# Altium PCB WhiteRHINO_0v1.PcbDoc (part 4 of 10) (continued)
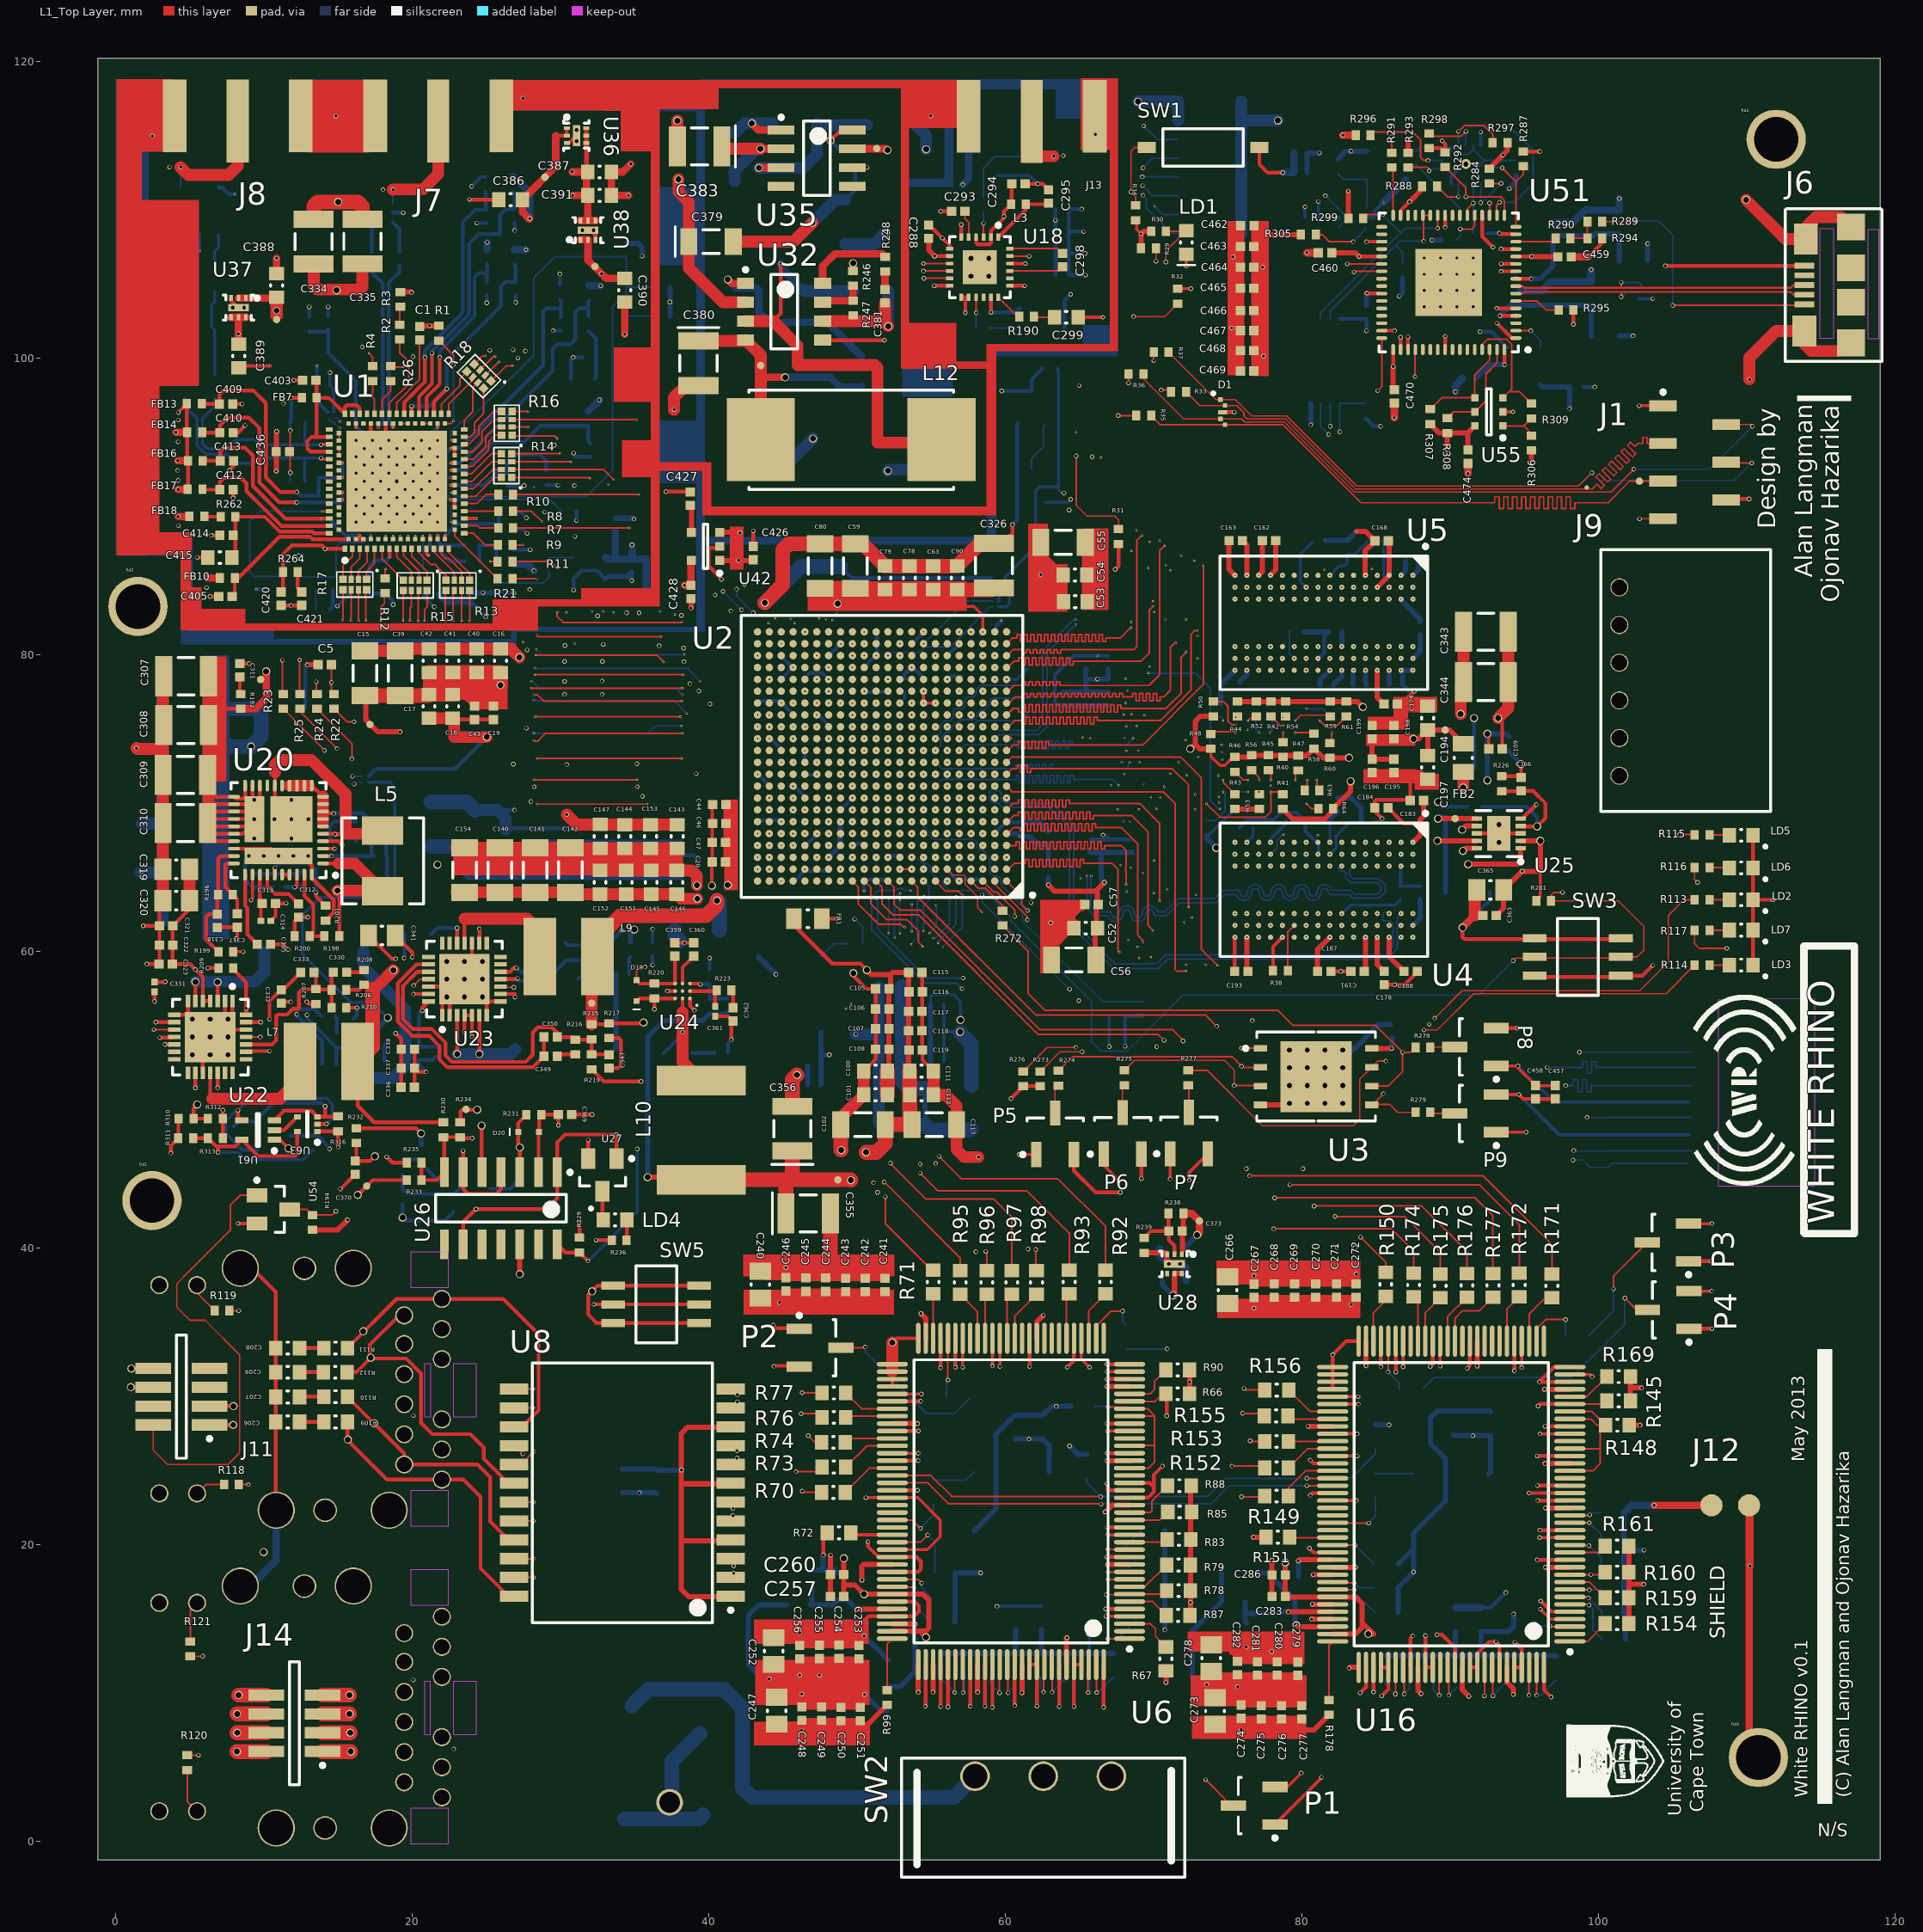
[diagram p0: L1_Top Layer view]
## Nets (pads, with @x,y where several pads share a name; then routed paths per layer and width w, separated by ;. In a path a pad name is that pad's centre, name@x,y a point inside that pad or via, vN(x,y) a via of type N, cw(c..) or ccw(c..) an arc to the next point about the centre after c; other vN are vias at no path point) (continued)
DDR3_DM2: U2.P1 U5.E7 | length 40
  L1_Top Layer w0.115: U2.P1@60.104,75.114 60.239,75.114 60.675,75.55 61.17,75.55 61.17,75.306 61.4,75.306 61.4,75.782 61.63,75.782 61.63,75.306 61.86,75.306 61.86,75.782 62.09,75.782 62.09,75.306 62.32,75.306 62.32,75.782 62.55,75.782 62.55,75.306 62.78,75.306 62.78,75.782 63.01,75.782 63.01,75.306 63.24,75.306 63.24,75.782 63.47,75.782 63.47,75.306 63.7,75.306 63.7,75.782 63.93,75.782 63.93,75.306 64.16,75.306 64.16,75.782 64.39,75.782 64.39,75.306 64.62,75.306 64.62,75.782 64.85,75.782 64.85,75.306 65.08,75.306 65.08,75.782 65.31,75.782 65.31,75.306 65.54,75.306 65.54,75.782 65.77,75.782 65.77,75.306 66,75.306 66,75.782 66.23,75.782 66.23,75.55 70.5,75.55 72.55,77.6 72.55,81.35 72.8,81.6 v1(73,81.6)
  L9_Critical w0.115: v1(73,81.6) 83.004,81.6 84.079,80.525 v1(84.304,80.525)
DDR3_DM3: U2.AA2 U5.D3 | length 40
  L3_Critical w0.115: v1(59.304,80.714) 59.69,81.1 60.68,81.1 60.68,81.344 60.91,81.344 60.91,80.856 61.14,80.856 61.14,81.344 61.37,81.344 61.37,80.856 61.6,80.856 61.6,81.345 61.83,81.345 61.83,80.856 62.06,80.856 62.06,81.345 62.29,81.345 62.29,80.856 62.52,80.856 62.52,81.345 62.75,81.345 62.75,80.856 62.98,80.856 62.98,81.345 63.21,81.345 63.21,80.856 63.44,80.856 63.44,81.345 63.67,81.345 63.67,80.856 63.9,80.856 63.9,81.1 67.775,81.1 68.05,81.375 68.05,86.45 68.525,86.925 v1(68.525,86.975)
  L9_Critical w0.115: v1(68.525,86.975) 71.705,86.975 71.712,86.983 71.988,86.983 71.995,86.975 81.97,86.975 83.9,85.045 83.9,84.35 84.1,84.15 84.679,84.15 v1(85.104,83.725)
DDR3_DQ00: U2.D1 U4.E3 | length 40
  L1_Top Layer w0.115: U2.D1@60.104,67.114 60.74,67.114 60.74,67.358 60.97,67.358 60.97,66.87 61.2,66.87 61.2,67.358 61.43,67.358 61.43,66.87 61.66,66.87 61.66,67.358 61.89,67.358 61.89,66.87 62.12,66.87 62.12,67.358 62.35,67.358 62.35,66.87 62.58,66.87 62.58,67.358 62.81,67.358 62.81,66.87 63.04,66.87 63.04,67.358 63.27,67.358 63.27,66.87 63.5,66.87 63.5,67.358 63.73,67.358 63.73,66.87 63.96,66.87 63.96,67.358 64.19,67.358 64.19,66.87 64.42,66.87 64.42,67.358 64.65,67.358 64.65,66.87 64.88,66.87 64.88,67.358 65.11,67.358 65.11,66.87 65.34,66.87 65.34,67.358 65.57,67.358 65.57,66.87 65.8,66.87 65.8,67.358 66.03,67.358 66.03,66.87 66.26,66.87 66.26,67.358 66.49,67.358 66.49,66.87 66.72,66.87 66.72,67.114 67.836,67.114 68.175,66.775 68.175,65.77 68.143,65.738 68.143,65.462 68.175,65.43 68.175,64.475 v1(68.165,64.475)
  L9_Critical w0.115: v1(68.165,64.475) 68.145,64.455 68.165,64.455 73.116,64.455 73.151,64.42 82.39,64.42 83.135,65.165 83.744,65.165 v1(84.304,65.725)
DDR3_DQ01: U2.C3 U4.F7 | length 40
  L4_Critical w0.115: v1(58.504,66.314) 58.918,65.9 60.59,65.9 60.59,66.144 60.82,66.144 60.82,65.657 61.05,65.657 61.05,66.144 61.28,66.144 61.28,65.657 61.51,65.657 61.51,66.144 61.74,66.144 61.74,65.657 61.97,65.657 61.97,66.144 62.2,66.144 62.2,65.657 62.43,65.657 62.43,66.144 62.66,66.144 62.66,65.657 62.89,65.657 62.89,66.144 63.12,66.144 63.12,65.657 63.35,65.657 63.35,66.144 63.58,66.144 63.58,65.657 63.81,65.657 63.81,66.144 64.04,66.144 64.04,65.657 64.27,65.657 64.27,65.9 67.225,65.9 67.625,65.5 67.625,60.47 68.15,59.945 81.42,59.945 82.275,60.8 82.275,61.15 82.45,61.325 82.9,61.325 83.125,61.55 83.125,62.146 v1(83.504,62.525)
DDR3_DQ02: U2.B2 U4.F2 | length 40
  L3_Critical w0.115: v1(59.304,65.514) 59.665,65.875 60.44,65.875 60.44,66.122 60.67,66.122 60.67,65.628 60.9,65.628 60.9,66.122 61.13,66.122 61.13,65.628 61.36,65.628 61.36,66.122 61.59,66.122 61.59,65.628 61.82,65.628 61.82,66.122 62.05,66.122 62.05,65.628 62.28,65.628 62.28,66.122 62.51,66.122 62.51,65.628 62.74,65.628 62.74,66.122 62.97,66.122 62.97,65.628 63.2,65.628 63.2,66.122 63.43,66.122 63.43,65.628 63.66,65.628 63.66,66.122 63.89,66.122 63.89,65.628 64.12,65.628 64.12,66.122 64.35,66.122 64.35,65.628 64.58,65.628 64.58,66.122 64.81,66.122 64.81,65.628 65.04,65.628 65.04,66.122 65.27,66.122 65.27,65.628 65.5,65.628 65.5,66.122 65.73,66.122 65.73,65.628 65.96,65.628 65.96,66.122 66.19,66.122 66.19,65.628 66.42,65.628 66.42,66.122 66.65,66.122 66.65,65.628 66.88,65.628 66.88,65.875 67.725,65.875 67.81,65.79 v1(67.81,65.785)
  L9_Critical w0.115: v1(67.81,65.785) 67.81,65.29 68.293,64.808 73.209,64.808 73.281,64.735 82.26,64.735 83.1,65.575 83.1,66.125 83.5,66.525 v1(83.504,66.525)
DDR3_DQ03: U2.D3 U4.F8 | length 40
  L4_Critical w0.115: v1(58.504,67.114) 58.915,67.525 60.425,67.525 60.825,67.125 61.17,67.125 61.17,66.884 61.4,66.884 61.4,67.366 61.63,67.366 61.63,66.884 61.86,66.884 61.86,67.366 62.09,67.366 62.09,66.884 62.32,66.884 62.32,67.366 62.55,67.366 62.55,66.884 62.78,66.884 62.78,67.366 63.01,67.366 63.01,66.884 63.24,66.884 63.24,67.366 63.47,67.366 63.47,66.884 63.7,66.884 63.7,67.366 63.93,67.366 63.93,66.884 64.16,66.884 64.16,67.366 64.39,67.366 64.39,66.884 64.62,66.884 64.62,67.125 68.55,67.125 68.925,66.75 v1@68.925,60.325 ; v1@68.925,60.275 v1(68.928,60.278)
  L9_Critical w0.115: v1(68.928,60.278) 77.448,60.278 77.72,60.55 82.1,60.55 82.3,60.75 82.3,61.2 82.493,61.393 83.172,61.393 v1(83.504,61.725)
DDR3_DQ04: U2.E3 U4.H3 | length 38.9
  L3_Critical w0.115: v1(58.504,67.914) 58.915,68.325 60.465,68.325 60.465,68.573 60.695,68.573 60.695,68.077 60.925,68.077 60.925,68.573 61.155,68.573 61.155,68.077 61.385,68.077 61.385,68.573 61.615,68.573 61.615,68.077 61.845,68.077 61.845,68.573 62.075,68.573 62.075,68.077 62.305,68.077 62.305,68.573 62.535,68.573 62.535,68.077 62.765,68.077 62.765,68.573 62.995,68.573 62.995,68.077 63.225,68.077 63.225,68.573 63.455,68.573 63.455,68.077 63.685,68.077 63.685,68.573 63.915,68.573 63.915,68.077 64.145,68.077 64.145,68.573 64.375,68.573 64.375,68.077 64.605,68.077 64.605,68.573 64.835,68.573 64.835,68.077 65.065,68.077 65.065,68.573 65.295,68.573 65.295,68.077 65.525,68.077 65.525,68.573 65.755,68.573 65.755,68.077 65.985,68.077 65.985,68.573 66.215,68.573 66.215,68.077 66.276,68.077 66.524,68.325 67.8,68.325 68.175,67.95 68.175,65.925 68.475,65.625 v1(68.475,65.6)
  L9_Critical w0.115: v1(68.475,65.6) 74,65.6 74.212,65.389 81.568,65.389 v1(81.904,65.725)
DDR3_DQ05: U2.E1 U4.H8 | length 40
  L1_Top Layer w0.115: U2.E1@60.104,67.914 60.164,67.914 60.575,68.325 61.045,68.325 61.045,68.082 61.275,68.082 61.275,68.569 61.505,68.569 61.505,68.082 61.735,68.082 61.735,68.569 61.965,68.569 61.965,68.082 62.195,68.082 62.195,68.569 62.425,68.569 62.425,68.082 62.655,68.082 62.655,68.569 62.885,68.569 62.885,68.082 63.115,68.082 63.115,68.569 63.345,68.569 63.345,68.082 63.575,68.082 63.575,68.569 63.805,68.569 63.805,68.082 64.035,68.082 64.035,68.569 64.265,68.569 64.265,68.082 64.495,68.082 64.495,68.569 64.725,68.569 64.725,68.082 64.955,68.082 64.955,68.569 65.185,68.569 65.185,68.082 65.415,68.082 65.415,68.569 65.645,68.569 65.645,68.082 65.875,68.082 65.875,68.569 66.105,68.569 66.105,68.325 67.825,68.325 68.95,67.2 68.95,61.06 69.318,60.693 v1(69.318,60.61)
  L9_Critical w0.115: v1(69.318,60.61) 69.335,60.593 77.318,60.593 77.7,60.975 78.17,60.975 78.57,61.375 81.554,61.375 v1(81.904,61.725)
DDR3_DQ06: U2.F2 U4.G2 | length 40
  L3_Critical w0.115: v1(59.304,68.714) 59.715,69.125 60.44,69.125 60.44,69.371 60.67,69.371 60.67,68.892 60.9,68.892 60.9,69.371 61.13,69.371 61.13,68.892 61.36,68.892 61.36,69.371 61.59,69.371 61.59,68.892 61.82,68.892 61.82,69.371 62.05,69.371 62.05,68.892 62.28,68.892 62.28,69.371 62.51,69.371 62.51,68.892 62.74,68.892 62.74,69.371 62.97,69.371 62.97,68.892 63.2,68.892 63.2,69.371 63.43,69.371 63.43,68.892 63.66,68.892 63.66,69.371 63.89,69.371 63.89,68.892 64.12,68.892 64.12,69.371 64.35,69.371 64.35,68.892 64.58,68.892 64.58,69.371 64.81,69.371 64.81,68.892 65.04,68.892 65.04,69.371 65.27,69.371 65.27,68.892 65.5,68.892 65.5,69.371 65.73,69.371 65.73,68.892 65.96,68.892 65.96,69.371 66.19,69.371 66.19,69.125 68.545,69.125 68.925,68.745 68.925,65.66 v1(69.318,65.268)
  L9_Critical w0.115: v1(69.318,65.268) 69.335,65.285 73.815,65.285 74,65.1 74,65.05 81.725,65.05 82.275,65.6 82.275,66.096 v1(82.704,66.525)
DDR3_DQ07: U2.F1 U4.H7 | length 40
  L1_Top Layer w0.115: U2.F1@60.104,68.714 60.164,68.714 60.575,69.125 60.89,69.125 60.89,69.366 61.12,69.366 61.12,68.892 61.35,68.892 61.35,69.366 61.58,69.366 61.58,68.892 61.81,68.892 61.81,69.366 62.04,69.366 62.04,68.892 62.27,68.892 62.27,69.366 62.5,69.366 62.5,68.892 62.73,68.892 62.73,69.366 62.96,69.366 62.96,68.892 63.19,68.892 63.19,69.366 63.42,69.366 63.42,68.892 63.65,68.892 63.65,69.366 63.88,69.366 63.88,68.892 64.11,68.892 64.11,69.366 64.34,69.366 64.34,68.892 64.57,68.892 64.57,69.366 64.8,69.366 64.8,68.892 65.03,68.892 65.03,69.366 65.26,69.366 65.26,68.892 65.49,68.892 65.49,69.366 65.72,69.366 65.72,68.892 65.95,68.892 65.95,69.125 68.545,69.125 69.65,68.02 69.65,61.721 v1(69.986,61.386) ; v1(81.904,62.504) U4.H7@81.904,62.525
  L9_Critical w0.115: v1(69.986,61.386) 78.136,61.386 78.325,61.575 78.325,61.95 78.525,62.15 81.55,62.15 v1(81.904,62.504)
DDR3_DQ08: U2.G2 U4.D7 | length 40
  L3_Critical w0.115: v1(59.304,69.514) 59.715,69.925 60.83,69.925 60.83,70.169 61.06,70.169 61.06,69.686 61.29,69.686 61.29,70.169 61.52,70.169 61.52,69.686 61.75,69.686 61.75,69.925 69.12,69.925 69.553,69.492 69.553,69.307 69.65,69.21 69.65,59.75 v1(69.825,59.575)
  L9_Critical w0.115: v1(69.825,59.575) 69.925,59.475 73.13,59.475 73.212,59.558 73.488,59.558 73.505,59.54 77.601,59.54 77.981,59.92 82.365,59.92 82.708,60.262 83.833,60.262 84.035,60.465 84.39,60.465 84.7,60.775 84.7,62.175 85.05,62.525 v1(85.104,62.525)
DDR3_DQ09: U2.G1 U4.C3 | length 40
  L1_Top Layer w0.115: U2.G1@60.104,69.514 60.54,69.95 60.89,69.95 60.89,70.189 61.12,70.189 61.12,69.711 61.35,69.711 61.35,70.189 61.58,70.189 61.58,69.711 61.81,69.711 61.81,70.189 62.04,70.189 62.04,69.711 62.27,69.711 62.27,70.189 62.5,70.189 62.5,69.711 62.73,69.711 62.73,70.189 62.96,70.189 62.96,69.711 63.19,69.711 63.19,70.189 63.42,70.189 63.42,69.711 63.65,69.711 63.65,70.189 63.88,70.189 63.88,69.711 64.11,69.711 64.11,70.189 64.34,70.189 64.34,69.95 69.075,69.95 69.143,69.883 69.163,69.883 69.358,69.688 69.358,69.668 70.425,68.6 v1(70.425,63.375)
  L9_Critical w0.115: v1(70.425,63.375) 72.92,63.375 73.02,63.475 82.782,63.475 83.524,64.217 84.157,64.217 85.008,65.067 85.362,65.067 85.904,65.609 v1(85.904,65.725)
DDR3_DQ10: U2.L1 U4.C8 | length 40
  L1_Top Layer w0.115: U2.L1@60.104,72.714 60.472,73.083 71.843,73.083 73.25,71.675 73.25,60.1 v1(74.325,59.025)
  L9_Critical w0.115: v1(74.325,59.025) 77.532,59.025 78.112,59.605 84.305,59.605 85.5,60.8 85.5,61.321 v1(85.904,61.725)
DDR3_DQ11: U2.L2 U4.C2 | length 40
  L3_Critical w0.115: v1(59.304,72.714) 59.339,72.714 59.725,73.1 61.12,73.1 61.12,72.854 61.35,72.854 61.35,73.1 61.58,73.1 61.58,72.854 61.81,72.854 61.81,73.1 62.04,73.1 62.04,72.854 62.27,72.854 62.27,73.1 62.5,73.1 62.5,72.854 62.73,72.854 62.73,73.1 62.96,73.1 62.96,72.854 63.19,72.854 63.19,73.346 63.42,73.346 63.42,73.1 71.82,73.1 72.583,72.338 72.583,71.702 72.425,71.545 72.425,64.2 72.455,64.2 v1(72.865,63.79)
  L9_Critical w0.115: v1(72.865,63.79) 82.651,63.79 83.393,64.532 84.026,64.532 84.887,65.393 85.242,65.393 85.437,65.587 85.437,66.112 85.85,66.525 v1(85.904,66.525)
DDR3_DQ12: U2.L3 U4.A7 | length 40
  L3_Critical w0.115: v1(73.025,73.1) 73.198,72.928 73.198,62.878 74.3,61.775 v1(74.525,61.775)
  L4_Critical w0.115: v1(58.504,72.714) 58.89,73.1 v1(73.025,73.1)
  L10_Critical w0.115: v1(74.525,61.775) 74.825,62.075 86.45,62.075 86.55,62.175 87.154,62.175 v1(87.504,62.525)
DDR3_DQ13: U2.K1 U4.A2 | length 39.9
  L1_Top Layer w0.115: U2.K1@60.104,71.914 60.475,72.285 60.82,72.285 60.82,72.535 61.05,72.535 61.05,72.035 61.28,72.035 61.28,72.535 61.51,72.535 61.51,72.035 61.74,72.035 61.74,72.285 71.285,72.285 72.375,71.195 v1(72.375,62.95)
  L9_Critical w0.115: v1(72.375,62.95) 73.74,62.95 73.95,63.16 82.912,63.16 83.654,63.902 84.287,63.902 85.138,64.752 85.493,64.752 86.3,65.56 86.3,65.925 86.546,66.171 87.15,66.171 v1(87.504,66.525)
DDR3_DQ14: U2.J1 U4.B8 | length 40
  L1_Top Layer w0.115: U2.J1@60.104,71.114 60.493,70.725 70.675,70.725 71.475,69.925 71.475,58.75 71.575,58.65 v1(72.2,58.65)
  L9_Critical w0.115: v1(72.2,58.65) 77.85,58.65 78.49,59.29 84.94,59.29 86.275,60.625 86.275,61.296 v1(86.704,61.725)
DDR3_DQ15: U2.K3 U4.A3 | length 40
  L3_Critical w0.115: v1(58.504,71.914) 58.89,72.3 71.275,72.3 72.025,71.55 72.025,62.825 v1(72.6,62.25)
  L9_Critical w0.115: v1(72.6,62.25) 72.665,62.186 77.836,62.186 77.839,62.189 78.054,62.189 78.39,62.525 78.39,62.715 78.52,62.845 83.043,62.845 83.498,63.3 85.079,63.3 v1(87.504,65.725)
DDR3_DQ16: U2.M1 U5.E3 | length 40
  L1_Top Layer w0.115: U2.M1@60.104,73.514 60.189,73.514 60.55,73.875 60.89,73.875 60.89,74.106 61.12,74.106 61.12,73.644 61.35,73.644 61.35,74.106 61.58,74.106 61.58,73.644 61.81,73.644 61.81,74.106 62.04,74.106 62.04,73.644 62.27,73.644 62.27,74.106 62.5,74.106 62.5,73.644 62.73,73.644 62.73,74.106 62.96,74.106 62.96,73.875 69.275,73.875 73.375,77.975 v1(73.375,85.99)
  L3_Critical w0.115: v1(81.5,85.7) 81.5,84.275 81.675,84.1 83.929,84.1 v1(84.304,83.725)
  L9_Critical w0.115: v1(73.375,85.99) 73.393,85.973 81.228,85.973 v1(81.5,85.7)
DDR3_DQ17: U2.T3 U5.F7 | length 40
  L4_Critical w0.115: v1(58.504,76.714) 58.94,77.15 60.615,77.15 60.615,77.398 60.845,77.398 60.845,76.902 61.075,76.902 61.075,77.398 61.305,77.398 61.305,76.902 61.535,76.902 61.535,77.398 61.765,77.398 61.765,76.902 61.995,76.902 61.995,77.398 62.225,77.398 62.225,76.902 62.455,76.902 62.455,77.398 62.685,77.398 62.685,76.902 62.915,76.902 62.915,77.398 63.145,77.398 63.145,76.902 63.375,76.902 63.375,77.398 63.605,77.398 63.605,76.902 63.835,76.902 63.835,77.398 64.065,77.398 64.065,76.902 64.295,76.902 64.295,77.398 64.525,77.398 64.525,76.902 64.755,76.902 64.755,77.398 64.985,77.398 64.985,76.902 65.215,76.902 65.215,77.398 65.445,77.398 65.445,76.902 65.675,76.902 65.675,77.15 72.125,77.15 72.55,77.575 72.55,80.9 72.875,81.225 v1(72.975,81.225)
  L9_Critical w0.115: v1(72.975,81.225) 82.725,81.225 83.05,80.9 83.425,80.525 v1(83.504,80.525)
DDR3_DQ18: U2.N3 U5.F2 | length 40
  L3_Critical w0.115: v1(58.504,74.314) 58.915,74.725 60.73,74.725 60.73,74.975 60.96,74.975 60.96,74.475 61.19,74.475 61.19,74.975 61.42,74.975 61.42,74.475 61.65,74.475 61.65,74.975 61.88,74.975 61.88,74.475 62.11,74.475 62.11,74.725 69.68,74.725 71.85,76.896 v1(71.85,86.65)
  L9_Critical w0.115: v1(71.85,86.65) 81.545,86.65 81.57,86.625 81.874,86.625 83.037,85.463 83.037,84.993 v1(83.504,84.525)
DDR3_DQ19: U2.T1 U5.F8 | length 40
  L1_Top Layer w0.115: U2.T1@60.104,76.714 60.264,76.714 60.675,77.125 61.25,77.125 61.25,77.375 61.48,77.375 61.48,77.125 61.71,77.125 61.71,77.375 61.94,77.375 61.94,77.125 62.17,77.125 62.17,77.375 62.4,77.375 62.4,77.125 62.63,77.125 62.63,77.375 62.86,77.375 62.86,77.125 63.09,77.125 63.09,77.375 63.32,77.375 63.32,77.125 63.55,77.125 63.55,77.375 63.78,77.375 63.78,77.125 64.01,77.125 64.01,77.375 64.24,77.375 64.24,77.125 64.47,77.125 64.47,77.375 64.7,77.375 64.7,77.125 64.93,77.125 64.93,77.375 65.16,77.375 65.16,77.125 65.39,77.125 65.39,77.375 65.62,77.375 65.62,77.125 65.85,77.125 65.85,77.375 66.08,77.375 66.08,77.125 66.31,77.125 66.31,77.375 66.54,77.375 66.54,77.125 66.77,77.125 66.77,77.375 67,77.375 67,77.125 67.23,77.125 67.23,77.375 67.46,77.375 67.46,77.125 67.69,77.125 67.69,77.375 67.92,77.375 67.92,77.125 68.61,77.125 68.61,77.375 68.84,77.375 68.84,76.875 69.07,76.875 69.07,77.375 69.3,77.375 69.3,76.875 69.53,76.875 69.53,77.375 69.76,77.375 69.76,76.875 69.99,76.875 69.99,77.375 70.22,77.375 70.22,76.875 70.45,76.875 70.45,77.125 70.7,77.125 71.15,77.575 71.15,80.473 71.477,80.8 71.501,80.824 v1(71.501,80.775)
  L9_Critical w0.115: v1(71.501,80.775) 71.601,80.875 71.946,80.875 71.946,80.625 72.176,80.625 72.176,81.125 72.406,81.125 72.406,80.875 82.024,80.875 82.3,80.599 82.3,80.375 82.56,80.115 83.115,80.115 v1(83.504,79.725)
DDR3_DQ20: U2.R3 U5.H3 | length 40
  L3_Critical w0.115: v1(58.504,75.914) 58.514,75.914 58.925,76.325 60.315,76.325 60.315,76.569 60.545,76.569 60.545,76.076 60.775,76.076 60.775,76.569 61.005,76.569 61.005,76.076 61.235,76.076 61.235,76.569 61.465,76.569 61.465,76.076 61.695,76.076 61.695,76.569 61.925,76.569 61.925,76.076 62.155,76.076 62.155,76.569 62.385,76.569 62.385,76.076 62.615,76.076 62.615,76.569 62.845,76.569 62.845,76.076 63.075,76.076 63.075,76.569 63.305,76.569 63.305,76.325 69.9,76.325 71.15,77.575 v1(71.15,85.675)
  L9_Critical w0.115: v1(71.15,85.675) 71.168,85.658 80.442,85.658 80.725,85.374 80.725,84.35 80.95,84.125 81.504,84.125 v1(81.904,83.725)
DDR3_DQ21: U2.T2 U5.H8 | length 39.4
  L3_Critical w0.115: v1(59.304,76.714) 59.725,77.135 60.14,77.135 60.14,77.385 60.37,77.385 60.37,76.885 60.6,76.885 60.6,77.385 60.83,77.385 60.83,76.885 61.06,76.885 61.06,77.385 61.29,77.385 61.29,76.885 61.52,76.885 61.52,77.385 61.75,77.385 61.75,76.885 61.98,76.885 61.98,77.385 62.21,77.385 62.21,76.885 62.44,76.885 62.44,77.385 62.67,77.385 62.67,76.885 62.9,76.885 62.9,77.385 63.13,77.385 63.13,76.885 63.36,76.885 63.36,77.385 63.59,77.385 63.59,76.885 63.82,76.885 63.82,77.385 64.05,77.385 64.05,76.885 64.28,76.885 64.28,77.385 64.51,77.385 64.51,76.885 64.74,76.885 64.74,77.385 64.97,77.385 64.97,76.885 65.2,76.885 65.2,77.385 65.43,77.385 65.43,76.88 65.435,76.875 65.7,76.875 65.7,77.375 65.725,77.4 65.975,77.4 65.975,76.875 66.25,76.875 66.25,77.385 66.515,77.385 66.515,76.885 66.745,76.885 66.745,77.385 66.975,77.385 66.975,76.885 67.205,76.885 67.205,77.385 67.435,77.385 67.435,77.135 67.81,77.135 v1(68.225,77.55)
  L9_Critical w0.115: v1(68.225,77.55) 68.738,78.063 72.688,78.063 74,79.375 81.554,79.375 v1(81.904,79.725)
DDR3_DQ22: U2.M2 U5.G2 | length 40
  L3_Critical w0.115: v1(59.304,73.514) 59.314,73.514 59.675,73.875 60.64,73.875 60.64,74.124 60.87,74.124 60.87,73.626 61.1,73.626 61.1,74.124 61.33,74.124 61.33,73.626 61.56,73.626 61.56,74.124 61.79,74.124 61.79,73.626 62.02,73.626 62.02,74.124 62.25,74.124 62.25,73.626 62.48,73.626 62.48,74.124 62.71,74.124 62.71,73.626 62.94,73.626 62.94,73.875 69.275,73.875 72.55,77.15 72.55,86.1 v1(72.751,86.301)
  L9_Critical w0.115: v1(72.751,86.301) 72.751,86.326 81.424,86.326 82.3,85.45 82.3,84.929 v1(82.704,84.525)
DDR3_DQ23: U2.R1 U5.H7 | length 40
  L1_Top Layer w0.115: U2.R1@60.104,75.914 60.54,76.35 60.92,76.35 60.92,76.103 61.15,76.103 61.15,76.598 61.38,76.598 61.38,76.103 61.61,76.103 61.61,76.598 61.84,76.598 61.84,76.103 62.07,76.103 62.07,76.598 62.3,76.598 62.3,76.103 62.53,76.103 62.53,76.598 62.76,76.598 62.76,76.103 62.99,76.103 62.99,76.598 63.22,76.598 63.22,76.103 63.45,76.103 63.45,76.598 63.68,76.598 63.68,76.103 63.91,76.103 63.91,76.598 64.14,76.598 64.14,76.103 64.37,76.103 64.37,76.598 64.6,76.598 64.6,76.103 64.83,76.103 64.83,76.598 65.06,76.598 65.06,76.103 65.29,76.103 65.29,76.598 65.52,76.598 65.52,76.103 65.75,76.103 65.75,76.598 65.98,76.598 65.98,76.103 66.21,76.103 66.21,76.598 66.44,76.598 66.44,76.103 66.67,76.103 66.67,76.598 66.9,76.598 66.9,76.103 67.13,76.103 67.13,76.598 67.36,76.598 67.36,76.103 67.59,76.103 67.59,76.59 67.82,76.59 67.82,76.35 70.85,76.35 71.885,77.385 71.885,79.825 72.201,80.141 v1(72.201,80.175)
  L9_Critical w0.115: v1(72.201,80.175) 72.205,80.171 81.55,80.171 v1(81.904,80.525)
DDR3_DQ24: U2.AA3 U5.D7 | length 40
  L4_Critical w0.115: v1(58.504,80.714) 58.9,81.11 60.565,81.11 60.565,81.357 60.795,81.357 60.795,80.863 61.025,80.863 61.025,81.357 61.255,81.357 61.255,80.863 61.485,80.863 61.485,81.357 61.715,81.357 61.715,80.863 61.945,80.863 61.945,81.357 62.175,81.357 62.175,80.863 62.405,80.863 62.405,81.357 62.635,81.357 62.635,80.863 62.865,80.863 62.865,81.357 63.095,81.357 63.095,80.863 63.325,80.863 63.325,81.357 63.555,81.357 63.555,80.863 63.785,80.863 63.785,81.357 64.015,81.357 64.015,80.863 64.245,80.863 64.245,81.357 64.475,81.357 64.475,80.863 64.705,80.863 64.705,81.357 64.935,81.357 64.935,80.863 65.165,80.863 65.165,81.357 65.395,81.357 65.395,80.863 65.625,80.863 65.625,81.357 65.855,81.357 65.855,81.11 71.56,81.11 71.85,81.4 71.85,82.1 72.1,82.35 v1(72.2,82.35)
  L9_Critical w0.115: v1(72.2,82.35) 83.559,82.35 85.014,80.895 85.03,80.895 85.104,80.821 v1(85.104,80.525)
DDR3_DQ25: U2.U1 U5.C3 | length 40
  L1_Top Layer w0.115: U2.U1@60.104,77.514 60.214,77.514 60.6,77.9 61.165,77.9 61.165,78.144 61.395,78.144 61.395,77.9 61.625,77.9 61.625,78.144 61.855,78.144 61.855,77.9 62.085,77.9 62.085,78.144 62.315,78.144 62.315,77.9 62.545,77.9 62.545,78.144 62.775,78.144 62.775,77.9 63.005,77.9 63.005,78.144 63.235,78.144 63.235,77.9 63.465,77.9 63.465,78.144 63.695,78.144 63.695,77.9 69.7,77.9 70.425,78.625 70.425,87 v1(70.751,87.326)
  L3_Critical w0.115: v1(84.725,85.75) 84.725,84.375 84.925,84.175 85.454,84.175 v1(85.904,83.725)
  L9_Critical w0.115: v1(70.751,87.326) 70.777,87.3 82.09,87.3 83.64,85.75 v1(84.725,85.75)
DDR3_DQ26: U2.AA1 U5.C8 | length 40
  L1_Top Layer w0.115: U2.AA1@60.104,80.714 60.49,81.1 60.815,81.1 60.815,81.341 61.045,81.341 61.045,80.859 61.275,80.859 61.275,81.341 61.505,81.341 61.505,80.859 61.735,80.859 61.735,81.341 61.965,81.341 61.965,80.859 62.195,80.859 62.195,81.341 62.425,81.341 62.425,80.859 62.655,80.859 62.655,81.341 62.885,81.341 62.885,80.859 63.115,80.859 63.115,81.341 63.345,81.341 63.345,80.859 63.575,80.859 63.575,81.341 63.805,81.341 63.805,80.859 64.035,80.859 64.035,81.341 64.265,81.341 64.265,80.859 64.495,80.859 64.495,81.341 64.725,81.341 64.725,80.859 64.955,80.859 64.955,81.341 65.185,81.341 65.185,80.859 65.415,80.859 65.415,81.341 65.645,81.341 65.645,80.859 65.875,80.859 65.875,81.341 66.105,81.341 66.105,80.859 66.335,80.859 66.335,81.341 66.565,81.341 66.565,80.859 66.795,80.859 66.795,81.1 67.775,81.1 68.475,81.8 v1(68.5,81.8)
  L9_Critical w0.115: v1(68.5,81.8) 72.225,81.8 72.4,81.975 83.475,81.975 84.675,80.775 84.675,80.375 84.95,80.1 85.529,80.1 v1(85.904,79.725)
DDR3_DQ27: U2.U2 U5.C2 | length 40
  L3_Critical w0.115: v1(59.304,77.514) 59.69,77.9 61.04,77.9 61.04,78.13 61.27,78.13 61.27,77.9 61.5,77.9 61.5,78.13 61.73,78.13 61.73,77.9 61.96,77.9 61.96,78.13 62.19,78.13 62.19,77.9 62.42,77.9 62.42,78.13 62.65,78.13 62.65,77.9 62.88,77.9 62.88,78.13 63.11,78.13 63.11,77.9 69.7,77.9 70.4,78.6 v1(70.4,87.675)
  L9_Critical w0.115: v1(70.4,87.675) 70.417,87.658 82.292,87.658 83.8,86.15 84.795,86.15 85.475,85.47 85.475,84.954 v1(85.904,84.525)
DDR3_DQ28: U2.W1 U5.A7 | length 40
  L1_Top Layer w0.115: U2.W1@60.104,79.114 60.189,79.114 60.6,79.525 60.915,79.525 60.915,79.767 61.145,79.767 61.145,79.283 61.375,79.283 61.375,79.767 61.605,79.767 61.605,79.283 61.835,79.283 61.835,79.767 62.065,79.767 62.065,79.283 62.295,79.283 62.295,79.767 62.525,79.767 62.525,79.283 62.755,79.283 62.755,79.767 62.985,79.767 62.985,79.283 63.215,79.283 63.215,79.767 63.445,79.767 63.445,79.283 63.675,79.283 63.675,79.767 63.905,79.767 63.905,79.283 64.135,79.283 64.135,79.767 64.365,79.767 64.365,79.283 64.595,79.283 64.595,79.525 69.175,79.525 69.725,80.075 69.725,83 69.747,83 69.972,83.225 v1(70,83.225)
  L9_Critical w0.115: v1(70,83.225) 83.575,83.225 85.275,81.525 87.075,81.525 87.504,81.096 v1(87.504,80.525)
DDR3_DQ29: U2.Y3 U5.A2 | length 39.9
  L3_Critical w0.115: v1(58.504,79.914) 58.89,80.3 60.865,80.3 60.865,80.541 61.095,80.541 61.095,80.3 61.325,80.3 61.325,80.541 61.555,80.541 61.555,80.3 68.625,80.3 68.875,80.55 v1(68.875,88.375)
  L9_Critical w0.115: v1(68.875,88.375) 82.475,88.375 84.05,86.8 85.2,86.8 86.3,85.7 86.825,85.7 87.075,85.45 87.075,84.954 v1(87.504,84.525)
DDR3_DQ30: U2.W3 U5.B8 | length 40
  L3_Critical w0.115: v1(58.504,79.114) 58.514,79.114 58.925,79.525 60.54,79.525 60.54,79.759 60.77,79.759 60.77,79.291 61,79.291 61,79.759 61.23,79.759 61.23,79.291 61.46,79.291 61.46,79.759 61.69,79.759 61.69,79.291 61.92,79.291 61.92,79.759 62.15,79.759 62.15,79.291 62.38,79.291 62.38,79.759 62.61,79.759 62.61,79.291 62.84,79.291 62.84,79.759 63.07,79.759 63.07,79.291 63.3,79.291 63.3,79.759 63.53,79.759 63.53,79.291 63.76,79.291 63.76,79.759 63.99,79.759 63.99,79.525 69.15,79.525 69.675,80.05 69.675,82.458 v1(70.068,82.85)
  L9_Critical w0.115: v1(70.068,82.85) 83.505,82.85 85.145,81.21 86.14,81.21 86.3,81.05 86.3,80.129 v1(86.704,79.725)
DDR3_DQ31: U2.Y1 U5.A3 | length 40
  L1_Top Layer w0.115: U2.Y1@60.104,79.914 60.139,79.914 60.55,80.325 61.22,80.325 61.22,80.089 61.45,80.089 61.45,80.325 61.68,80.325 61.68,80.089 61.91,80.089 61.91,80.325 62.14,80.325 62.14,80.089 62.37,80.089 62.37,80.325 62.6,80.325 62.6,80.089 62.83,80.089 62.83,80.325 63.06,80.325 63.06,80.089 63.29,80.089 63.29,80.325 63.52,80.325 63.52,80.089 63.75,80.089 63.75,80.325 68.7,80.325 68.9,80.525 68.9,87.7 69.226,88.026 v1(69.251,88.026)
  L9_Critical w0.115: v1(69.251,88.026) 82.379,88.026 83.93,86.475 84.95,86.475 86.3,85.125 86.3,84.4 86.575,84.125 87.104,84.125 v1(87.504,83.725)
DDR3_DQS0_N: U2.D2 U4.G3 | length 40
  L10_Critical w0.115: v1(59.304,67.114) 59.552,66.866 64.844,66.866 65.8,65.91 65.8,65.118 v1(65.818,65.1)
  L12_Bottom Layer w0.115: v1(65.818,65.1) 65.8,65.083 65.8,62.975 66.125,62.65 67.041,62.65 cw(c67.041,62.517) 67.174,62.517 ccw(c67.432,62.517) 67.689,62.517 cw(c68.213,62.517) 68.736,62.517 ccw(c68.994,62.517) 69.251,62.517 cw(c69.775,62.517) 70.281,62.65 70.799,62.65 71.674,63.525 74.125,63.525 74.675,64.075 75.702,64.075 cw(c75.702,63.942) 75.835,63.942 ccw(c76.092,63.942) 76.35,63.942 cw(c76.873,63.942) 77.397,63.942 ccw(c77.654,63.942) 77.912,63.942 cw(c78.435,63.942) 78.959,63.942 ccw(c79.216,63.942) 79.474,63.942 cw(c79.997,63.942) 80.521,63.942 ccw(c80.778,63.942) 81.036,63.942 cw(c81.559,63.942) 82.065,64.075 83.325,64.075 83.575,63.825 85.1,63.825 85.375,64.1 85.375,64.334 85.1,64.609 83.315,64.609 82.971,64.953 82.971,65.275 82.846,65.4 82.575,65.4 82.475,65.5 82.475,65.675 82.525,65.725 v1(82.704,65.725)
DDR3_DQS0_P: U2.C2 U4.F3 | length 40
  L10_Critical w0.115: v1(59.304,66.314) 59.59,66.6 64.734,66.6 65.534,65.8 65.534,65.118 v1(65.517,65.1)
  L12_Bottom Layer w0.115: v1(65.517,65.1) 65.534,65.083 65.534,62.865 65.612,62.787 66.015,62.384 66.926,62.384 ccw(c67.432,62.517) 67.955,62.517 cw(c68.213,62.517) 68.47,62.517 ccw(c68.994,62.517) 69.517,62.517 cw(c69.775,62.517) 70.032,62.517 ccw(c70.165,62.517) 70.165,62.384 70.909,62.384 71.784,63.259 74.235,63.259 74.785,63.809 75.586,63.809 ccw(c76.092,63.942) 76.616,63.942 cw(c76.873,63.942) 77.131,63.942 ccw(c77.654,63.942) 78.178,63.942 cw(c78.435,63.942) 78.693,63.942 ccw(c79.216,63.942) 79.74,63.942 cw(c79.997,63.942) 80.255,63.942 ccw(c80.778,63.942) 81.302,63.942 cw(c81.559,63.942) 81.817,63.942 ccw(c81.95,63.942) 81.95,63.809 83.215,63.809 83.465,63.559 85.21,63.559 85.641,63.99 85.641,64.444 85.21,64.875 83.425,64.875 83.237,65.063 83.237,65.458 v1(83.504,65.725)
DDR3_DQS1_N: U2.J2 U4.B7 | length 40.1
  L12_Bottom Layer w0.115: v1(59.304,71.114) 58.988,70.799 58.988,70.183 59.173,69.999 59.502,69.999 59.824,69.676 62.976,69.676 64.327,68.325 64.327,61.802 67.302,58.827 70.327,58.827 70.952,59.452 85.753,59.452 86.453,60.152 86.453,62.274 v1(86.704,62.525)
DDR3_DQS1_P: U2.H2 U4.C7 | length 40
  L12_Bottom Layer w0.115: v1(59.304,70.314) 59.304,70.675 59.311,70.675 59.461,70.825 59.575,70.825 59.75,70.65 59.75,70.2 59.976,69.974 63.099,69.974 64.625,68.448 64.625,61.925 67.425,59.125 70.204,59.125 70.829,59.75 85.63,59.75 86.155,60.275 86.155,61.845 85.975,62.025 85.525,62.025 85.475,62.075 85.475,62.525 85.575,62.625 85.804,62.625 v1(85.904,62.525)